# KiCad board GIMIX DMA SASI.kicad_pcb
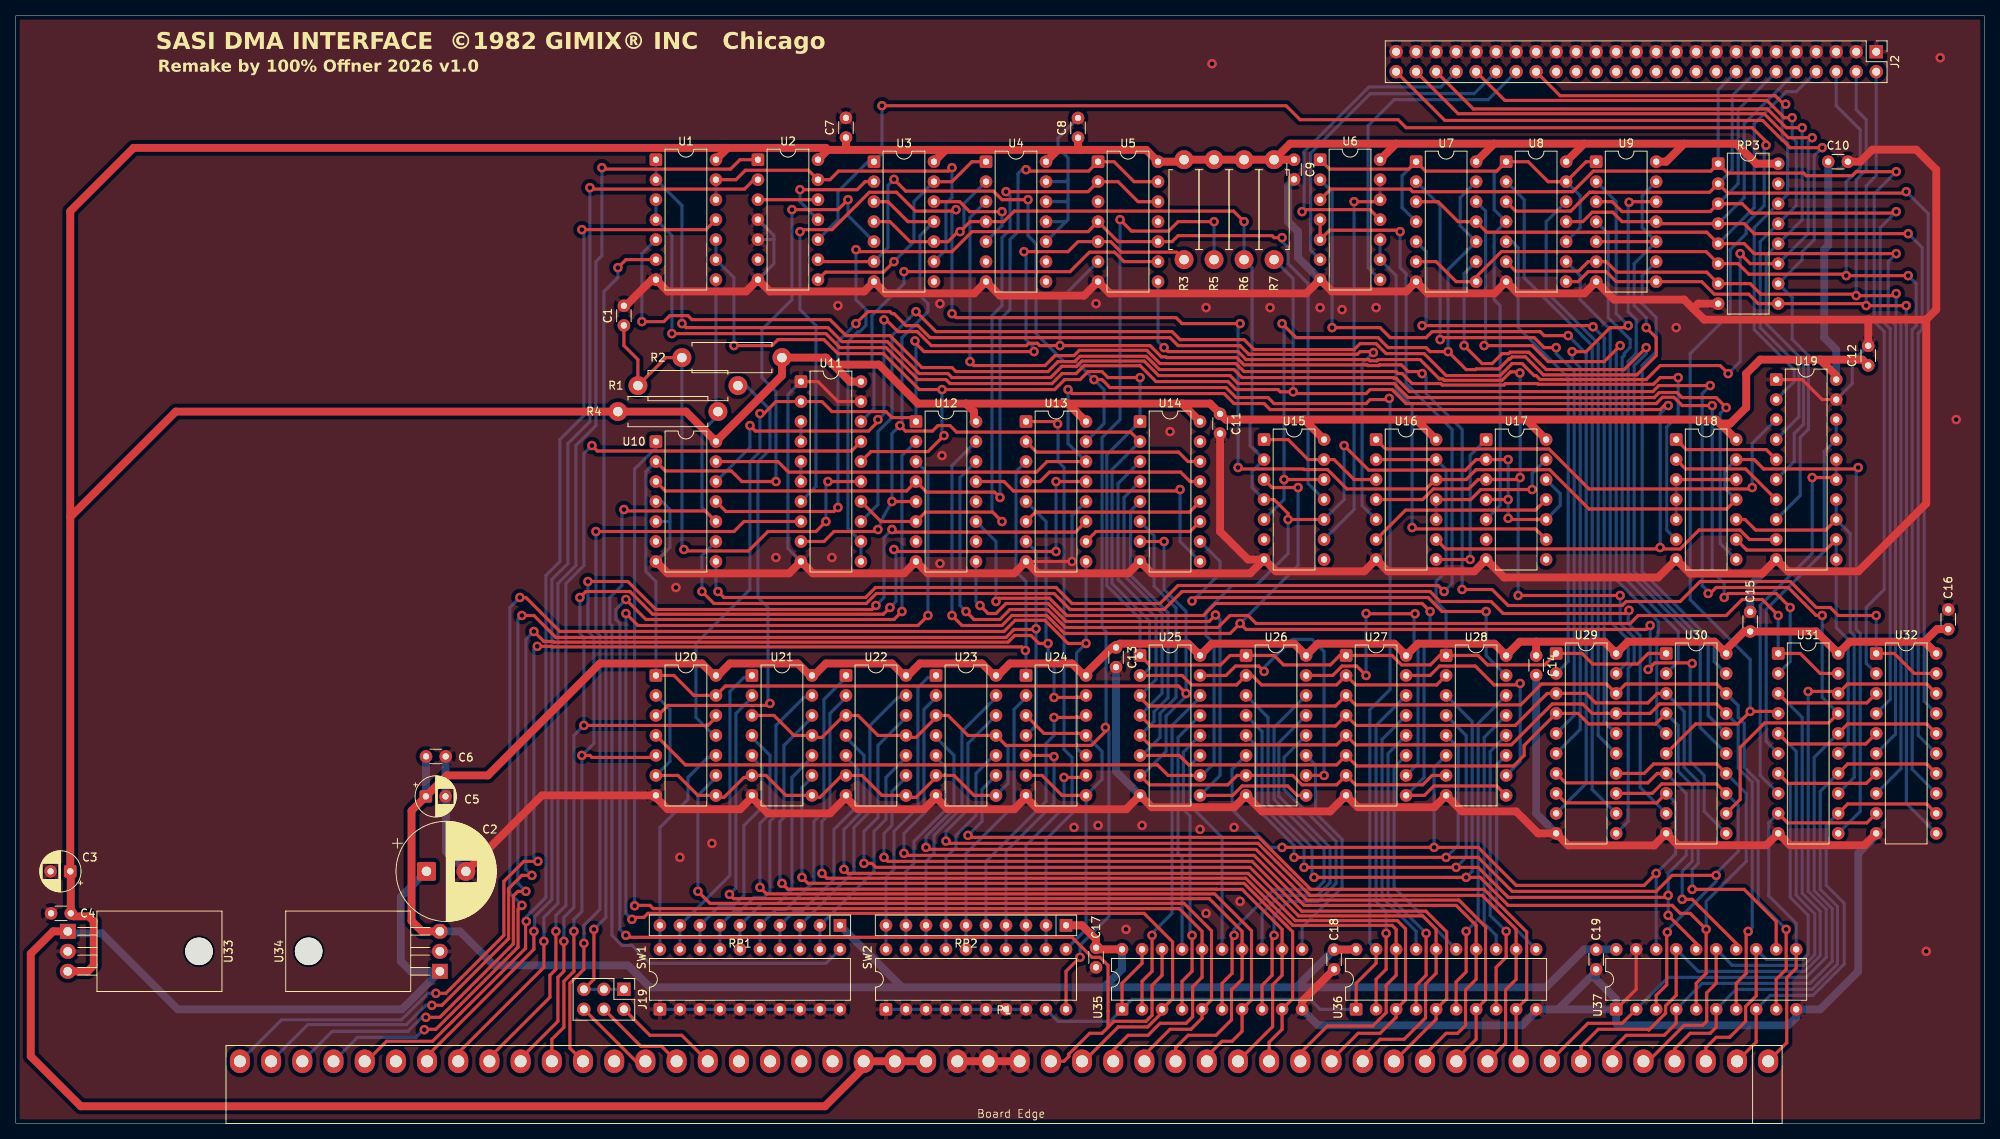
[diagram p0: board, top side]
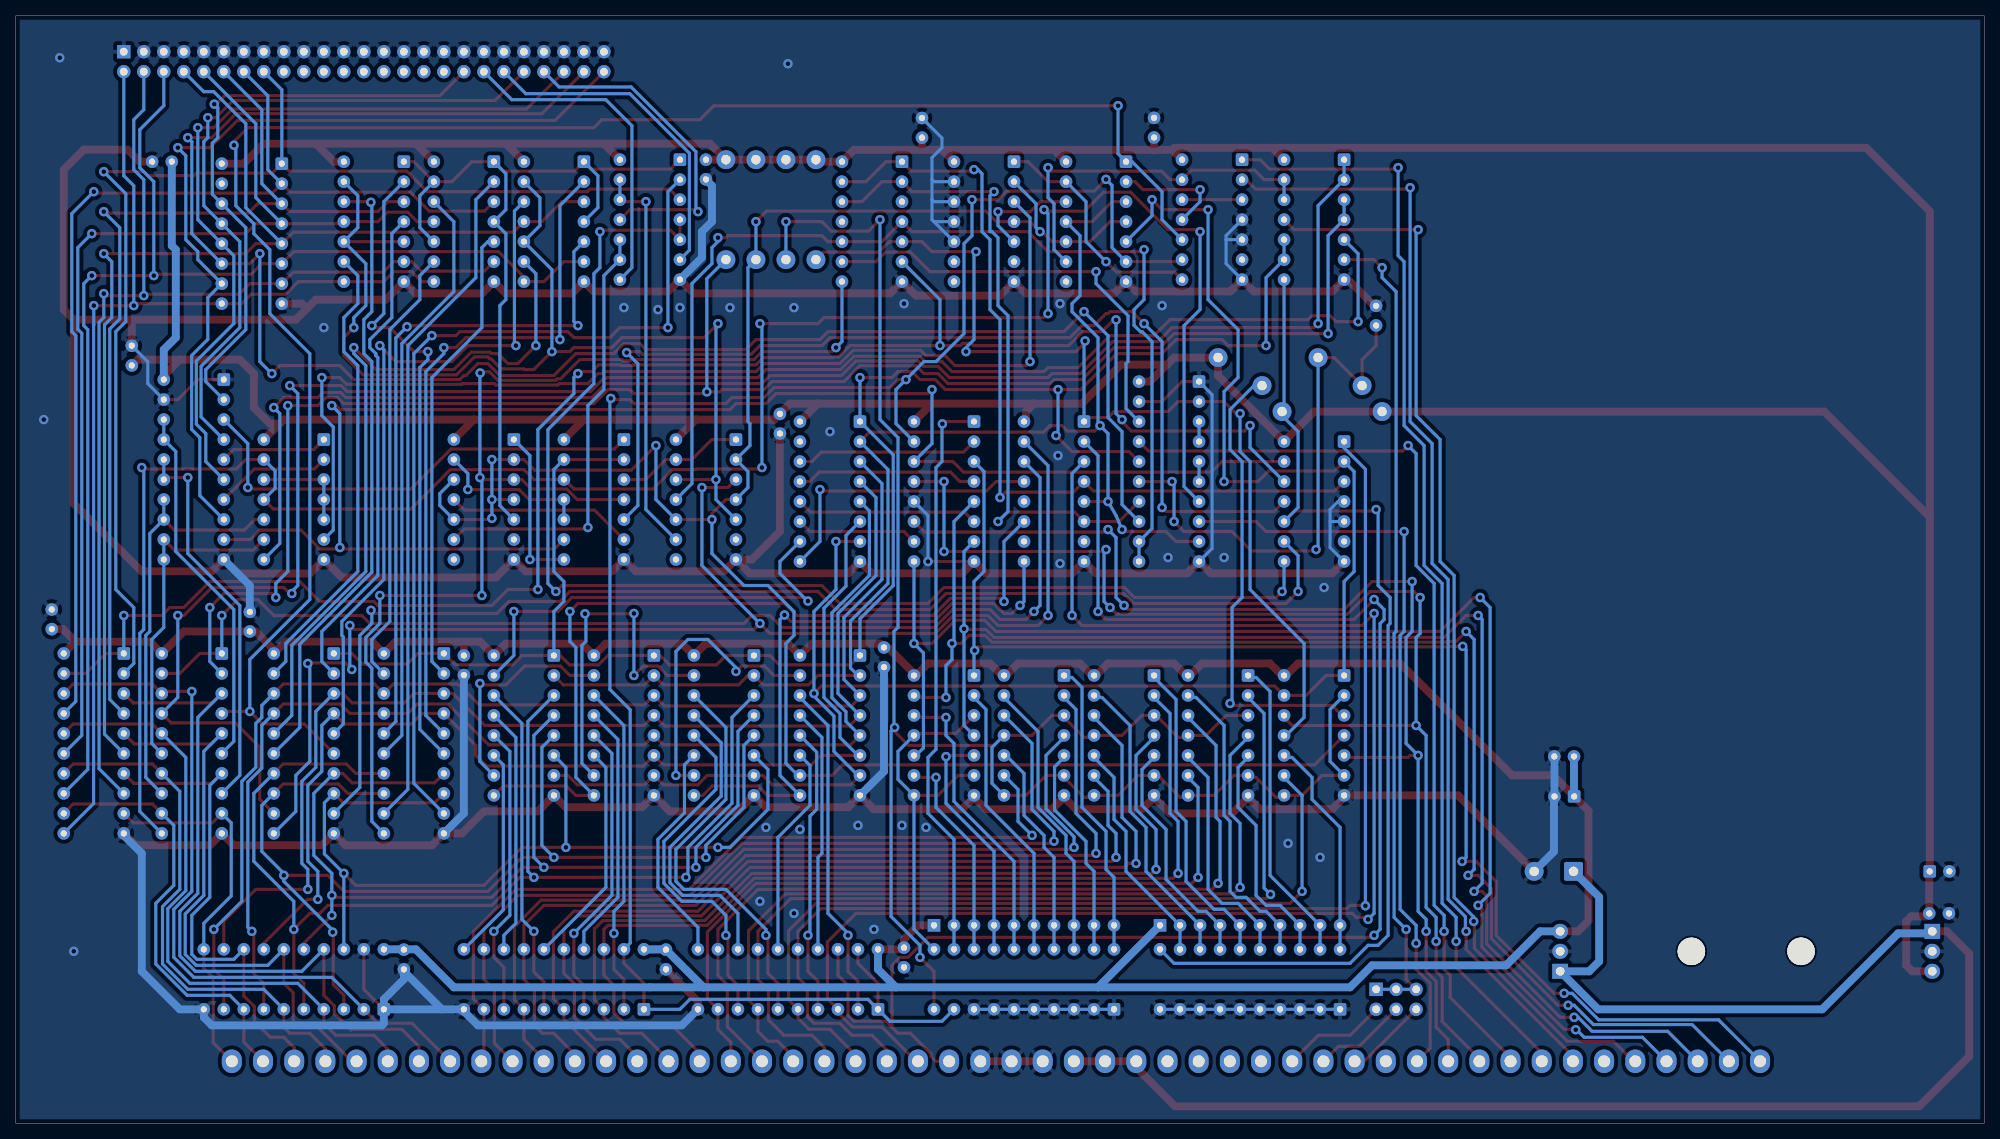
[diagram p1: board, bottom side, seen from below]

Outline 249.94 x 140.72 mm; copper layers: Top, Bottom. Coordinates in mm from the lower left corner of the outline.
Outline path: rectangle 0,140.72 249.94,0

## Placement (name value [footprint] x y rotation side)
C1  C_Small  [C_Disc_D3.0mm_W1.6mm_P2.50mm]  77.22 101.37 90 top
C2  10u  [CP_Radial_D12.5mm_P5.00mm]  52.15 32 0 top
C3  10u  [CP_Radial_D5.0mm_P2.50mm]  6.92 32 180 top
C4  100n  [C_Disc_D3.0mm_W1.6mm_P2.50mm]  6.98 26.67 180 top
C5  10u  [CP_Radial_D5.0mm_P2.50mm]  52.07 41.53 0 top
C6  100n  [C_Disc_D3.0mm_W1.6mm_P2.50mm]  52.09 46.61 0 top
C7  100n  [C_Disc_D3.0mm_W1.6mm_P2.50mm]  105.41 125.24 90 top
C8  100n  [C_Disc_D3.0mm_W1.6mm_P2.50mm]  134.87 125.22 90 top
C9  100n  [C_Disc_D3.0mm_W1.6mm_P2.50mm]  162.31 122.43 270 top
C10  100n  [C_Disc_D3.0mm_W1.6mm_P2.50mm]  230.12 122.17 0 top
C11  100n  [C_Disc_D3.0mm_W1.6mm_P2.50mm]  152.91 90.13 270 top
C12  100n  [C_Disc_D3.0mm_W1.6mm_P2.50mm]  235.2 96.29 90 top
C13  100n  [C_Disc_D3.0mm_W1.6mm_P2.50mm]  139.7 60.45 270 top
C14  100n  [C_Disc_D3.0mm_W1.6mm_P2.50mm]  193.04 59.44 270 top
C15  100n  [C_Disc_D3.0mm_W1.6mm_P2.50mm]  220.22 62.48 90 top
C16  100n  [C_Disc_D3.0mm_W1.6mm_P2.50mm]  245.36 62.78 90 top
C17  100n  [C_Disc_D3.0mm_W1.6mm_P2.50mm]  137.16 22.31 270 top
C18  100n  [C_Disc_D3.0mm_W1.6mm_P2.50mm]  167.39 22.06 270 top
C19  100n  [C_Disc_D3.0mm_W1.6mm_P2.50mm]  200.66 22.06 270 top
J2  SASI  [PinHeader_2x25_P2.54mm_Vertical]  236.22 136.14 270 top
J19  Conn_02x03_Odd_Even  [PinHeader_2x03_P2.54mm_Vertical]  77.22 17.02 270 top
P1  SS-50 Bus  [SS-50_new]  125.48 7.87 0 top
R1  ?  [R_Axial_DIN0411_L9.9mm_D3.6mm_P12.70mm_Horizontal]  91.69 93.73 180 top
R2  ?  [R_Axial_DIN0411_L9.9mm_D3.6mm_P12.70mm_Horizontal]  97.28 97.28 180 top
R3  ?  [R_Axial_DIN0411_L9.9mm_D3.6mm_P12.70mm_Horizontal]  148.34 122.43 270 top
R4  ?  [R_Axial_DIN0411_L9.9mm_D3.6mm_P12.70mm_Horizontal]  76.45 90.42 0 top
R5  ?  [R_Axial_DIN0411_L9.9mm_D3.6mm_P12.70mm_Horizontal]  152.15 122.43 270 top
R6  ?  [R_Axial_DIN0411_L9.9mm_D3.6mm_P12.70mm_Horizontal]  155.96 122.43 270 top
R7  ?  [R_Axial_DIN0411_L9.9mm_D3.6mm_P12.70mm_Horizontal]  159.77 122.43 270 top
RP1  ?  [R_Array_SIP10]  104.65 25.15 180 top
RP2  ?  [R_Array_SIP10]  133.35 25.15 180 top
RP3  220/330E  [DIP-16_W7.62mm]  216.15 121.92 0 top
SW1  SW_DIP_x10  [DIP-20_W7.62mm]  81.79 14.48 90 top
SW2  SW_DIP_x10  [DIP-20_W7.62mm]  110.49 14.48 90 top
U1  7438  [DIP-14_W7.62mm]  81.28 122.43 0 top
U2  74LS08  [DIP-14_W7.62mm]  94.23 122.43 0 top
U3  74LS74  [DIP-14_W7.62mm]  108.97 122.17 0 top
U4  74LS74  [DIP-14_W7.62mm]  123.19 122.17 0 top
U5  74LS20  [DIP-14_W7.62mm]  137.41 122.17 0 top
U6  7438  [DIP-14_W7.62mm]  165.61 122.43 0 top
U7  7438  [DIP-14_W7.62mm]  177.8 122.17 0 top
U8  7438  [DIP-14_W7.62mm]  189.23 122.17 0 top
U9  7438  [DIP-14_W7.62mm]  200.66 122.17 0 top
U10  74LS32  [DIP-14_W7.62mm]  81.28 86.61 0 top
U11  74LS240  [DIP-20_W7.62mm]  99.7 94.23 0 top
U12  74LS138  [DIP-16_W7.62mm]  114.3 89.15 0 top
U13  74LS367  [DIP-16_W7.62mm]  128.27 89.15 0 top
U14  74LS161  [DIP-16_W7.62mm]  142.75 89.15 0 top
U15  7474  [DIP-14_W7.62mm]  158.5 86.87 0 top
U16  74LS08  [DIP-14_W7.62mm]  172.72 86.87 0 top
U17  7474  [DIP-14_W7.62mm]  186.69 86.87 0 top
U18  74LS10  [DIP-14_W7.62mm]  210.82 86.87 0 top
U19  74LS240  [DIP-20_W7.62mm]  223.52 94.49 0 top
U20  74LS136  [DIP-14_W7.62mm]  81.28 56.9 0 top
U21  74LS136  [DIP-14_W7.62mm]  93.47 56.9 0 top
U22  74LS136  [DIP-14_W7.62mm]  105.41 56.9 0 top
U23  74LS136  [DIP-14_W7.62mm]  116.84 56.9 0 top
U24  74LS136  [DIP-14_W7.62mm]  128.27 56.9 0 top
U25  74LS161  [DIP-16_W7.62mm]  142.75 59.44 0 top
U26  74LS161  [DIP-16_W7.62mm]  156.21 59.44 0 top
U27  74LS161  [DIP-16_W7.62mm]  168.91 59.44 0 top
U28  74LS161  [DIP-16_W7.62mm]  181.61 59.44 0 top
U29  74LS273  [DIP-20_W7.62mm]  195.58 59.69 0 top
U30  74LS273  [DIP-20_W7.62mm]  209.55 59.69 0 top
U31  74LS240  [DIP-20_W7.62mm]  223.77 59.69 0 top
U32  74LS244  [DIP-20_W7.62mm]  236.22 59.69 0 top
U33  LM7805_TO220  [TO-220-3_Horizontal_TabDown]  6.6 24.38 270 top
U34  LM7805_TO220  [TO-220-3_Horizontal_TabDown]  53.85 19.3 90 top
U35  74LS244  [DIP-20_W7.62mm]  140.46 14.48 90 top
U36  74LS244  [DIP-20_W7.62mm]  170.18 14.48 90 top
U37  74LS240  [DIP-20_W7.62mm]  203.2 14.48 90 top

## Library data of the parts
C1 C4 C6-C19 = -: Description: Unpolarized capacitor, small symbol; ki_fp_filters: C_*
C2 C3 C5 = -: Description: Polarized capacitor, small symbol; ki_fp_filters: CP_*
J2 = -: Description: Generic connector, double row, 02x25, odd/even pin numbering scheme (row 1 odd numbers, row 2 even numbers), script generated (kicad-library-utils/schlib/autogen/connector/); ki_fp_filters: Connector*:*_2x??_*
J19 = -: Description: Generic connector, double row, 02x03, odd/even pin numbering scheme (row 1 odd numbers, row 2 even numbers), script generated (kicad-library-utils/schlib/autogen/connector/); ki_fp_filters: Connector*:*_2x??_*
P1 = -: Description: "Generic connector, single row, 01x50, script generated"; ki_fp_filters: Connector*:*_1x??_*
R1-R7 = -: Description: Resistor, small symbol; ki_fp_filters: R_*
RP1 RP2 = -: Datasheet: http://www.vishay.com/docs/31509/csc.pdf; Description: 9 resistor network, star topology, bussed resistors, small symbol; ki_fp_filters: R?Array?SIP*
RP3 = -: Description: 8 Resistor Terminator, DIP package; ki_fp_filters: R?Array?SIP*
SW1 SW2 = -: Description: 10x DIP Switch, Single Pole Single Throw (SPST) switch, small symbol; ki_fp_filters: SW?DIP?x10*
U1 U6-U9 = -: Datasheet: http://www.ti.com/lit/gpn/sn74LS38; Description: Quad Buffer 2-input NAND Open collector; ki_fp_filters: DIP*W7.62mm*
U2 U16 = -: Datasheet: http://www.ti.com/lit/gpn/sn74LS08; Description: Quad And2; ki_fp_filters: DIP*W7.62mm*
U3 U4 U15 U17 = -: Datasheet: 74xx/74hc_hct74.pdf; Description: Dual D Flip-flop, Set & Reset; ki_fp_filters: DIP*W7.62mm*
U5 = -: Datasheet: http://www.ti.com/lit/gpn/sn74LS20; Description: Dual 4-input NAND; ki_fp_filters: DIP?12*
U10 = -: Datasheet: http://www.ti.com/lit/gpn/sn74LS32; Description: Quad 2-input OR; ki_fp_filters: DIP?14*
U11 U19 = -: Datasheet: http://www.ti.com/lit/ds/symlink/sn74ls240.pdf; Description: Octal Buffer and Line Driver With 3-State Output, active-low enables, inverting outputs, split symbol; ki_fp_filters: DIP*W7.62mm* SOIC*7.5x12.8mm*P1.27mm* *SSOP*5.3x7.2mm*P0.65mm*
U12 = -: Datasheet: http://www.ti.com/lit/gpn/sn74LS138; Description: Decoder 3 to 8 active low outputs; ki_fp_filters: DIP?16*
U13 = -: Description: Hex Buffer and Line Driver With 3-State Output, active-low enables, non-inverting outputs, split symbol; ki_fp_filters: DIP*W7.62mm* SOIC*7.5x12.8mm*P1.27mm* *SSOP*5.3x7.2mm*P0.65mm*
U14 U25-U28 = -: Datasheet: http://www.ti.com/lit/gpn/sn74LS161; Description: Synchronous 4-bit programmable binary Counter; ki_fp_filters: DIP?16*
U18 = -: Datasheet: http://www.ti.com/lit/gpn/sn74LS10; Description: Triple 3-input NAND; ki_fp_filters: DIP*W7.62mm*
U20-U24 = -: Datasheet: http://www.ti.com/lit/ds/symlink/sn54ls136.pdf; Description: Quad 2-input XOR Open Collector; ki_fp_filters: DIP*W7.62mm*
U29 U30 = -: Datasheet: http://www.ti.com/lit/gpn/sn74LS273; Description: 8-bit D Flip-Flop, reset; ki_fp_filters: DIP?20* SO?20* SOIC?20*
U31 U37 = -: Datasheet: http://www.ti.com/lit/ds/symlink/sn74ls240.pdf; Description: Octal Buffer and Line Driver With 3-State Output, active-low enables, inverting outputs; ki_fp_filters: DIP?20*
U32 = -: Datasheet: http://www.ti.com/lit/ds/symlink/sn74ls244.pdf; Description: Octal Buffer and Line Driver With 3-State Output, active-low enables, non-inverting outputs; ki_fp_filters: DIP?20*
U33 U34 = -: Datasheet: https://www.onsemi.cn/PowerSolutions/document/MC7800-D.PDF; Description: Positive 1A 35V Linear Regulator, Fixed Output 5V, TO-220; ki_fp_filters: TO?220*
U35 U36 = -: Datasheet: http://www.ti.com/lit/ds/symlink/sn74ls241.pdf; Description: Octal Buffer and Line Driver With 3-State Output, active-low enables, non-inverting outputs, split symbol; ki_fp_filters: DIP*W7.62mm* SOIC*7.5x12.8mm*P1.27mm* *SSOP*5.3x7.2mm*P0.65mm*

## Footprints (pads in the part's own frame, mm; a bottom-side part is the same pattern mirrored in y, then rotated)
C_Disc_D3.0mm_W1.6mm_P2.50mm
  round 1.6 hole 0.8: 1(0,0) 2(2.5,0)
CP_Radial_D5.0mm_P2.50mm
  rrect 1.6x1.6 hole 0.8: 1(0,0)
  round 1.6 hole 0.8: 2(2.5,0)
CP_Radial_D12.5mm_P5.00mm
  rrect 2.4x2.4 hole 1.2: 1(0,0)
  round 2.4 hole 1.2: 2(5,0)
DIP-14_W7.62mm
  rrect 1.6x1.6 hole 0.8: 1(0,0)
  round 1.6 hole 0.8: 2(0,-2.54) 3(0,-5.08) 4(0,-7.62) 5(0,-10.16) 6(0,-12.7) 7(0,-15.24) 8(7.62,-15.24) 9(7.62,-12.7) 10(7.62,-10.16) 11(7.62,-7.62) 12(7.62,-5.08) 13(7.62,-2.54) 14(7.62,0)
DIP-16_W7.62mm
  rrect 1.6x1.6 hole 0.8: 1(0,0)
  round 1.6 hole 0.8: 2(0,-2.54) 3(0,-5.08) 4(0,-7.62) 5(0,-10.16) 6(0,-12.7) 7(0,-15.24) 8(0,-17.78) 9(7.62,-17.78) 10(7.62,-15.24) 11(7.62,-12.7) 12(7.62,-10.16) 13(7.62,-7.62) 14(7.62,-5.08) 15(7.62,-2.54) 16(7.62,0)
DIP-20_W7.62mm
  rrect 1.6x1.6 hole 0.8: 1(0,0)
  round 1.6 hole 0.8: 2(0,-2.54) 3(0,-5.08) 4(0,-7.62) 5(0,-10.16) 6(0,-12.7) 7(0,-15.24) 8(0,-17.78) 9(0,-20.32) 10(0,-22.86) 11(7.62,-22.86) 12(7.62,-20.32) 13(7.62,-17.78) 14(7.62,-15.24) 15(7.62,-12.7) 16(7.62,-10.16) 17(7.62,-7.62) 18(7.62,-5.08) 19(7.62,-2.54) 20(7.62,0)
PinHeader_2x03_P2.54mm_Vertical
  rect 1.7x1.7 hole 1: 1(0,0)
  round 1.7 hole 1: 2(2.54,0) 3(0,-2.54) 4(2.54,-2.54) 5(0,-5.08) 6(2.54,-5.08)
PinHeader_2x25_P2.54mm_Vertical
  rect 1.7x1.7 hole 1: 1(0,0)
  round 1.7 hole 1: 2(2.54,0) 3(0,-2.54) 4(2.54,-2.54) 5(0,-5.08) 6(2.54,-5.08) 7(0,-7.62) 8(2.54,-7.62) 9(0,-10.16) 10(2.54,-10.16) 11(0,-12.7) 12(2.54,-12.7) 13(0,-15.24) 14(2.54,-15.24) 15(0,-17.78) 16(2.54,-17.78) 17(0,-20.32) 18(2.54,-20.32) 19(0,-22.86) 20(2.54,-22.86) 21(0,-25.4) 22(2.54,-25.4) 23(0,-27.94) 24(2.54,-27.94) 25(0,-30.48) 26(2.54,-30.48) 27(0,-33.02) 28(2.54,-33.02) 29(0,-35.56) 30(2.54,-35.56) 31(0,-38.1) 32(2.54,-38.1) 33(0,-40.64) 34(2.54,-40.64) 35(0,-43.18) 36(2.54,-43.18) 37(0,-45.72) 38(2.54,-45.72) 39(0,-48.26) 40(2.54,-48.26) 41(0,-50.8) 42(2.54,-50.8) 43(0,-53.34) 44(2.54,-53.34) 45(0,-55.88) 46(2.54,-55.88) 47(0,-58.42) 48(2.54,-58.42) 49(0,-60.96) 50(2.54,-60.96)
R_Array_SIP10
  rect 1.6x1.6 hole 0.8: 1(0,0)
  round 1.6 hole 0.8: 2(2.54,0) 3(5.08,0) 4(7.62,0) 5(10.16,0) 6(12.7,0) 7(15.24,0) 8(17.78,0) 9(20.32,0) 10(22.86,0)
R_Axial_DIN0411_L9.9mm_D3.6mm_P12.70mm_Horizontal
  round 2.4 hole 1.2: 1(0,0) 2(12.7,0)
SS-50_new
  oval 2.54x3 hole 1.52: 1(97.02,0) 2(93.06,0) 3(89.1,0) 4(85.14,0) 5(81.18,0) 6(77.22,0) 7(73.26,0) 8(69.3,0) 9(65.34,0) 10(61.38,0) 11(57.42,0) 12(53.46,0) 13(49.5,0) 14(45.54,0) 15(41.58,0) 16(37.62,0) 17(33.66,0) 18(29.7,0) 19(25.74,0) 20(21.78,0) 21(17.82,0) 22(13.86,0) 23(9.9,0) 24(5.94,0) 25(1.98,0) 26(-1.98,0) 27(-5.94,0) 28(-9.9,0) 29(-13.86,0) 30(-17.82,0) 31(-21.78,0) 32(-25.74,0) 33(-29.7,0) 34(-33.66,0) 35(-37.62,0) 36(-41.58,0) 37(-45.54,0) 38(-49.5,0) 39(-53.46,0) 40(-57.42,0) 41(-61.38,0) 42(-65.34,0) 43(-69.3,0) 44(-73.26,0) 45(-77.22,0) 46(-81.18,0) 47(-85.14,0) 48(-89.1,0) 49(-93.06,0) 50(-97.02,0)
TO-220-3_Horizontal_TabDown
  round 3.5 hole 3.5 unplated: (2.54,16.66)
  rect 1.905x2 hole 1.1: 1(0,0)
  oval 1.905x2 hole 1.1: 2(2.54,0) 3(5.08,0)

## Nets
+5V: C3.1 C4.1 C7.1 C8.1 C9.1 C10.1 C11.1 C12.1 R2.1 R3.1 R4.1 R5.1 R6.1 R7.1 RP3.16 U1.14 U2.14 U3.14 U4.14 U5.14 U6.14 U7.14 U8.14 U9.14 U10.14 U11.20 U12.16 U13.16 U14.16 U15.14 U16.14 U17.14 U18.14 U19.20 U33.3
+8V: C2.1 P1.28 P1.29 P1.30 U33.1 U34.1
+12V: P1.32
-12V: P1.31
GND: C1.2 C2.2 C3.2 C4.2 C5.2 C6.2 C7.2 C8.2 C9.2 C10.2 C11.2 C12.2 C13.2 C14.2 C15.2 C16.2 C17.2 C18.2 C19.2 J2.1 J2.3 J2.5 J2.7 J2.9 J2.11 J2.13 J2.15 J2.17 J2.19 J2.21 J2.23 J2.25 J2.27 J2.29 J2.31 J2.33 J2.35 J2.37 J2.39 J2.41 J2.43 J2.45 J2.47 J2.49 P1.25 P1.26 P1.27 RP3.8 SW1.1 SW1.2 SW1.3 SW1.4 SW1.5 SW1.6 SW1.7 SW1.8 SW1.9 SW1.10 SW2.1 SW2.2 SW2.3 SW2.4 SW2.5 SW2.6 SW2.7 SW2.8 U1.7 U2.4 U2.5 U2.7 U3.7 U4.7 U4.10 U4.11 U4.12 U4.13 U5.7 U6.7 U7.7 U8.7 U9.7 U10.4 U10.5 U10.7 U11.1 U11.10 U11.19 U12.8 U13.8 U13.12 U14.8 U15.7 U16.7 U17.7 U18.7 U19.1 U19.10 U19.19 U20.7 U21.7 U22.7 U23.7 U24.7 U25.8 U26.8 U27.8 U28.8 U29.10 U30.10 U31.10 U32.10 U33.2 U34.2 U35.10 U36.10 U37.1 U37.10 U37.19
+5C: C5.1 C6.1 C13.1 C14.1 C15.1 C16.1 C17.1 C18.1 C19.1 RP1.1 RP2.1 U20.14 U21.14 U22.14 U23.14 U24.14 U25.16 U26.16 U27.16 U28.16 U29.20 U30.20 U31.20 U32.20 U34.3 U35.20 U36.20 U37.20
/A0: P1.24 U12.2 U35.18
/A1: P1.23 U12.3 U35.3
/A2: P1.22 U10.1 U35.16
/A2': U5.1 U5.13 U10.3 U12.4
/A3: P1.21 U20.9 U35.5
/A4: P1.20 U21.2 U35.14
/A5: P1.19 U21.4 U35.7
/A6: P1.18 U21.12 U35.12
/A7: P1.17 U21.9 U35.9
/A8: P1.16 U22.2 U36.18
/A9: P1.15 U22.4 U36.3
/A10: P1.14 U22.12 U36.16
/A11: P1.13 U22.9 U36.5
/A12: P1.12 U23.2 U36.14
/A13: P1.11 U23.4 U36.7
/A14: P1.10 U23.12 U36.12
/A15: P1.9 U23.9 U36.9
/A16: P1.50 U13.3 U24.1
/A17: P1.49 U13.5 U24.13
/A18: P1.48 U13.7 U24.4
/A19: P1.47 U13.9 U24.10
/BA: P1.43 U2.1
/BD0: P1.1 U31.9 U32.9 U37.11
/BD1: P1.2 U31.12 U32.12 U37.8
/BD2: P1.3 U31.7 U32.7 U37.13
/BD3: P1.4 U31.14 U32.14 U37.6
/BD4: P1.5 U31.5 U32.5 U37.15
/BD5: P1.6 U31.16 U32.16 U37.4
/BD6: P1.7 U31.3 U32.3 U37.17
/BD7: P1.8 U31.18 U32.18 U37.2
/BE: P1.39 U11.8
/BQ: P1.38
/BR/~{W}: P1.41 U13.13 U20.12
/BS: P1.44 U2.2
/DIP Switches/swA3: RP1.10 SW1.20 U20.10
/DIP Switches/swA4: RP1.9 SW1.19 U21.1
/DIP Switches/swA5: RP1.8 SW1.18 U21.5
/DIP Switches/swA6: RP1.7 SW1.17 U21.13
/DIP Switches/swA7: RP1.6 SW1.16 U21.10
/DIP Switches/swA8: RP1.5 SW1.15 U22.1
/DIP Switches/swA9: RP1.4 SW1.14 U22.5
/DIP Switches/swA10: RP1.3 SW1.13 U22.13
/DIP Switches/swA11: RP1.2 SW1.12 U22.10
/DIP Switches/swA12: RP2.10 SW2.20 U23.1
/DIP Switches/swA13: RP2.9 SW2.19 U23.5
/DIP Switches/swA14: RP2.8 SW2.18 U23.13
/DIP Switches/swA15: RP2.7 SW2.17 U23.10
/DIP Switches/swA16: RP2.6 SW2.16 U24.2
/DIP Switches/swA17: RP2.5 SW2.15 U24.12
/DIP Switches/swA18: RP2.4 SW2.14 U24.5
/DIP Switches/swA19: RP2.3 SW2.13 U24.9
/DIP Switches/~{DMAON}: RP2.2 SW2.12 U13.1
/DMAE: U2.10 U3.1 U30.6 U31.4
/DMAWNDW: U3.5 U10.2 U14.7 U20.1 U20.13 U25.7 U26.7 U27.7 U28.7
/E: U5.4 U5.10 U11.11 U11.12 U15.11
/ID0: U14.3 U25.3 U27.3 U29.18 U30.18 U37.9
/ID1: U14.4 U25.4 U27.4 U29.3 U30.3 U37.12
/ID2: U14.5 U25.5 U27.5 U29.17 U30.17 U37.7
/ID3: U14.6 U25.6 U27.6 U29.4 U30.4 U37.14
/ID4: U26.3 U28.3 U29.14 U30.14 U37.5
/ID5: U26.4 U28.4 U29.7 U30.7 U37.16
/ID6: U26.5 U28.5 U29.13 U30.13 U37.3
/ID7: U26.6 U28.6 U29.8 U30.8 U37.18
/READ: U10.13 U13.14 U16.9 U19.9
/SASI Interface/BUSY: U19.17 U19.18 U31.6
/SASI Interface/C/D: U18.10 U19.13 U19.14 U31.13
/SASI Interface/I/O: U18.9 U19.11 U19.12 U31.15
/SASI Interface/IRQ: R7.2 U1.3 U1.4 U31.2
/SASI Interface/IRQEN: U1.5 U30.12 U31.17
/SASI Interface/MSG: U19.15 U19.16 U31.8
/SASI Interface/REQ: U11.7 U16.12 U18.11 U18.13 U31.11
/SASI Interface/SAD0: U9.9 U30.19
/SASI Interface/SAD1: U9.4 U30.2
/SASI Interface/SAD2: U7.9 U30.16
/SASI Interface/SAD3: U7.12 U30.5
/SASI Interface/SAD4: U9.12 U30.15
/SASI Interface/SASIRSTINT: U10.9 U30.9
/SASI Interface/SBD0: U8.9 U29.19
/SASI Interface/SBD1: U8.5 U29.2
/SASI Interface/SBD2: U7.5 U29.16
/SASI Interface/SBD3: U7.2 U29.5
/SASI Interface/SBD4: U8.12 U29.15
/SASI Interface/SBD5: U9.2 U29.6
/SASI Interface/SBD6: U8.2 U29.12
/SASI Interface/SBD7: U6.2 U29.9
/SASI Interface/~{ACK}: J2.38 U6.8
/SASI Interface/~{BUSY#}: U16.1 U19.3
/SASI Interface/~{BUSY}: J2.36 RP3.14 U19.2
/SASI Interface/~{C/D#}: U18.2 U19.7
/SASI Interface/~{C/D}: J2.46 RP3.12 U19.6
/SASI Interface/~{I/O}: J2.50 RP3.10 U19.8
/SASI Interface/~{MSG#}: U18.1 U19.5
/SASI Interface/~{MSG}: J2.42 RP3.13 U19.4
/SASI Interface/~{REQ}: J2.48 RP3.11 U11.13
/SASI Interface/~{SD0}: J2.2 RP3.9 U8.8 U9.8 U32.11
/SASI Interface/~{SD1}: J2.4 RP3.7 U8.6 U9.6 U32.8
/SASI Interface/~{SD2}: J2.6 RP3.6 U7.6 U7.8 U32.13
/SASI Interface/~{SD3}: J2.8 RP3.5 U7.3 U7.11 U32.6
/SASI Interface/~{SD4}: J2.10 RP3.4 U8.11 U9.11 U32.15
/SASI Interface/~{SD5}: J2.12 RP3.3 U9.3 U32.4
/SASI Interface/~{SD6}: J2.14 RP3.2 U8.3 U32.17
/SASI Interface/~{SD7}: J2.16 RP3.1 U6.3 U32.2
/SASI Interface/~{SEL}: J2.44 U6.11
/SASI Interface/~{SRST}: J2.40 U6.6
/SASI_RST: R4.2 SW1.11 U1.8 U10.10
/SASIRQ: U4.3 U18.6
/SEL: U5.2 U5.12 U11.14 U12.6
/VMA: P1.40 U13.11 U20.5
/~{BUSREQ}: P1.46 U1.11
/~{DMAWNDW}: SW2.9 U2.9 U3.6 U13.15 U35.1 U35.19 U36.1 U36.19
/~{DMAW}: U12.13 U14.9
/~{E}: U3.3 U3.11 U11.9 U12.5 U14.2 U25.2 U26.2 U27.2 U28.2
/~{FIRQ}: J19.6 P1.37
/~{HALT}: P1.45
/~{IRQ}: J19.4 P1.36
/~{LDH}: U12.11 U27.9 U28.9
/~{LDL}: U12.9 U25.9 U26.9
/~{MRDY}: P1.34
/~{NMI}: J19.2 P1.35
/~{RES}: P1.42 U11.17
/~{RE}: U5.6 U10.12 U32.1 U32.19
/~{RST}: U1.9 U1.10 U11.16 U14.1 U16.2 U16.13 U25.1 U26.1 U27.1 U28.1 U29.1 U30.1
/~{SASI_IRQ}: J19.1 J19.3 J19.5 U1.6
/~{SASIR}: U12.14 U31.1 U31.19
/~{SASIW}: U12.15 U15.3 U30.11
/~{WE}: U5.8 U16.4 U17.3 U29.11
PUA: R6.2 U3.4 U3.10 U4.2 U4.4 U15.2 U15.4 U15.10 U17.2 U17.4 U17.10 U17.12 U20.4 U25.10
Net-(C1-Pad1): C1.1 R1.2 R2.2 U11.15
Net-(R1-Pad1): R1.1 U20.3
Net-(R5-Pad2): R5.2 SW2.10 U20.2 U20.6 U20.8 U21.3 U21.6 U21.8 U21.11 U22.3 U22.6 U22.8 U22.11 U23.3 U23.6 U23.8 U23.11
Net-(SW2-Pad11): SW2.11 U24.3 U24.6 U24.8 U24.11
Net-(U1-Pad1): U1.1 U1.2 U18.8
Net-(U2-Pad12): U2.3 U2.12
Net-(U3A-D): U2.11 U3.2
Net-(U3B-D): U3.12 U4.5
Net-(U3B-Q): U1.12 U1.13 U2.13 U3.9
Net-(U3B-~{R}): U2.8 U3.13 U4.1
Net-(U10-Pad8): U6.4 U6.5 U10.8
Net-(U10-Pad11): U10.11 U16.5
Net-(U11-Pad3): U11.3 U11.4
Net-(U11-Pad5): U11.5 U11.6
Net-(U11-Pad18): U5.9 U11.18
Net-(U12-A0): R3.2 U5.5 U11.2 U12.1 U20.11
Net-(U14-CET): U14.10 U28.15
Net-(U14-Q0): U13.2 U14.14
Net-(U14-Q1): U13.4 U14.13
Net-(U14-Q2): U13.6 U14.12
Net-(U14-Q3): U13.10 U14.11
Net-(U15A-Q): U7.10 U7.13 U9.5 U9.10 U9.13 U15.5 U15.12
Net-(U15A-~{R}): U15.1 U15.13 U16.3
Net-(U15B-Q): U6.12 U6.13 U15.9
Net-(U17A-Q): U6.1 U7.1 U7.4 U8.1 U8.4 U8.10 U8.13 U9.1 U17.5
Net-(U17A-~{R}): U16.8 U17.1
Net-(U17B-C): U16.6 U17.11
Net-(U17B-Q): U6.9 U6.10 U17.9
Net-(U17B-~{R}): U16.10 U16.11 U17.13
Net-(U18-Pad12): U18.3 U18.4 U18.5 U18.12
Net-(U25-Q0): U25.14 U35.2
Net-(U25-Q1): U25.13 U35.17
Net-(U25-Q2): U25.12 U35.4
Net-(U25-Q3): U25.11 U35.15
Net-(U25-TC): U25.15 U26.10
Net-(U26-Q0): U26.14 U35.6
Net-(U26-Q1): U26.13 U35.13
Net-(U26-Q2): U26.12 U35.8
Net-(U26-Q3): U26.11 U35.11
Net-(U26-TC): U26.15 U27.10
Net-(U27-Q0): U27.14 U36.2
Net-(U27-Q1): U27.13 U36.17
Net-(U27-Q2): U27.12 U36.4
Net-(U27-Q3): U27.11 U36.15
Net-(U27-TC): U27.15 U28.10
Net-(U28-Q0): U28.14 U36.6
Net-(U28-Q1): U28.13 U36.13
Net-(U28-Q2): U28.12 U36.8
Net-(U28-Q3): U28.11 U36.11

Pads without a net: J2 18 20 22 24 26 28 30 32 34; P1 33; RP3 15; U2 6; U3 8; U4 6 8 9; U5 3 11; U10 6; U12 7 10 12; U14 15; U15 6 8; U17 6 8

## Via types
v1: diameter 1.2, hole 0.6, Top to Bottom, 278 vias
